# KiCad board rabbit_mask.kicad_pcb (continued)
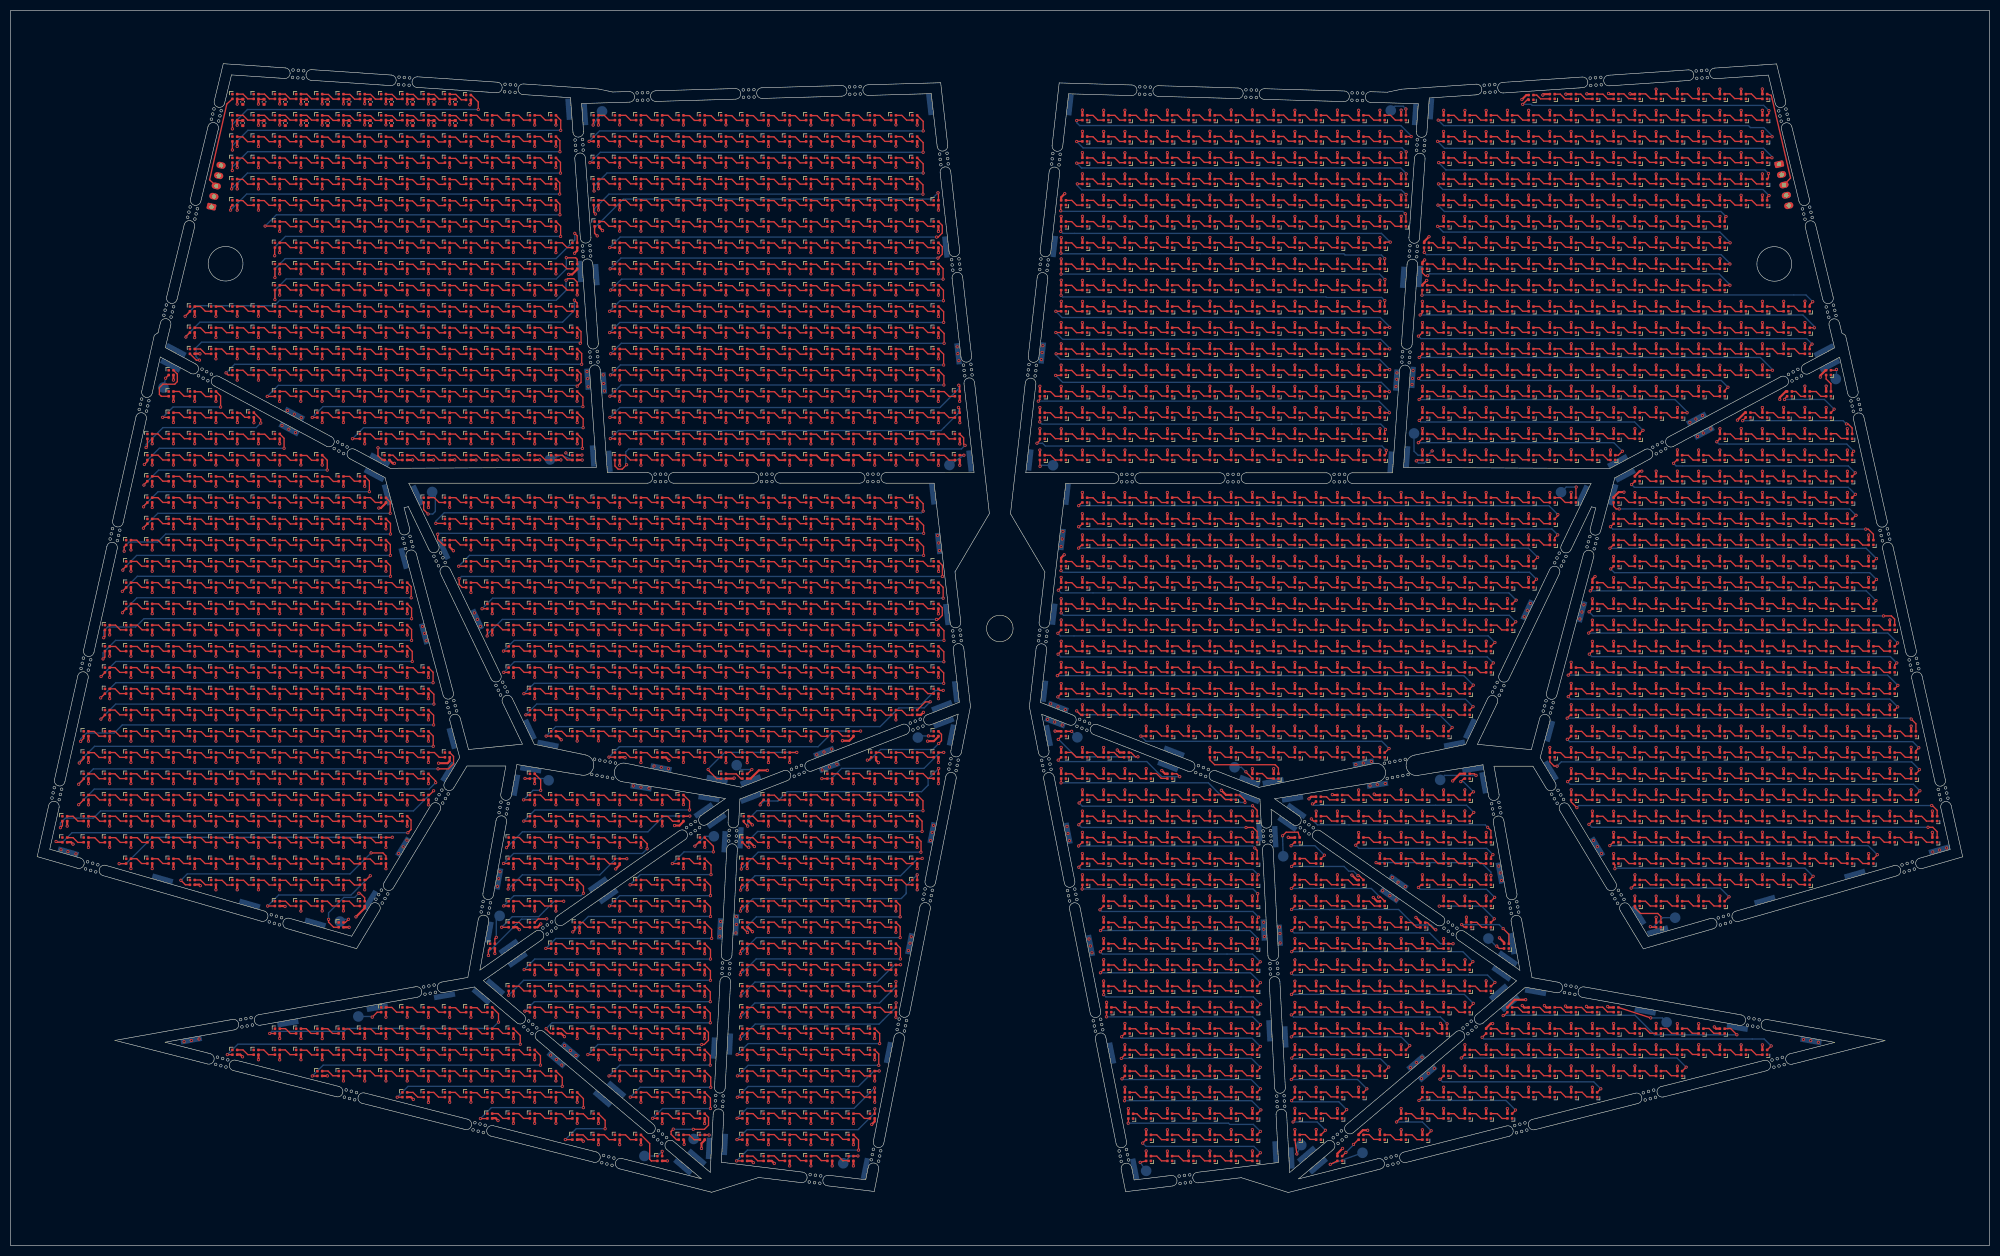
[diagram p0: board, top side]
## Routing (per net, layer and track width the routed paths; a pad name or vN(x,y) marks a point on that pad's centre or on a via; arc(x,y) is an arc through that point) (continued)
Net-(D1001-DOUT): length 3.5
  Top w0.25: 57.75,95.86 56.65,95.86 55.75,96.76 54.65,96.76
Net-(D1002-DOUT): length 3.5
  Top w0.25: 61.85,95.86 60.75,95.86 59.85,96.76 58.75,96.76
Net-(D1003-DOUT): length 3.5
  Top w0.25: 62.7,96.81 63.8,96.81 64.7,95.91 65.8,95.91
Net-(D1004-DOUT): length 3.5
  Top w0.25: D1005.1 68.65,95.91 67.75,96.81 D1004.3
Net-(D1005-DOUT): length 3.5
  Top w0.25: D1006.1 72.65,95.91 71.75,96.81 D1005.3
Net-(D1006-DOUT): length 3.5
  Top w0.25: 74.67,96.79 75.78,96.79 76.67,95.89 77.78,95.89
Net-(D1007-DOUT): length 72.7
  Top w0.25: v1(79.55,93.99) 79.55,95.91 D1007.3 ; v1(12.93,90.84) 13.75,91.66 D1024.1
  Bottom w0.25: v1(12.93,90.84) 12.93,91.11 15.8,93.99 v1(79.55,93.99)
Net-(D1008-DIN): length 79
  Top w0.25: v1(100.8,95.91) D1008.1 ; D990.3 172.2,102.36 v1(173.1,102.36)
  Bottom w0.25: v1(100.8,95.91) 102.59,97.7 163.68,97.7 167.21,101.23 171.97,101.23 v1(173.1,102.36)
Net-(D1008-DOUT): length 3.5
  Top w0.25: D1009.1 104.65,95.91 103.75,96.81 D1008.3
Net-(D1009-DOUT): length 3.5
  Top w0.25: 106.55,96.81 107.65,96.81 108.55,95.91 109.65,95.91
Net-(D1010-DOUT): length 3.5
  Top w0.25: 110.6,96.81 111.7,96.81 112.6,95.91 113.7,95.91
Net-(D1011-DOUT): length 3.5
  Top w0.25: 117.75,95.86 116.65,95.86 115.75,96.76 114.65,96.76
Net-(D1012-DOUT): length 3.5
  Top w0.25: 118.7,96.76 119.8,96.76 120.7,95.86 121.8,95.86
Net-(D1013-DOUT): length 3.5
  Top w0.25: 125.7,95.86 124.6,95.86 123.7,96.76 122.6,96.76
Net-(D1014-DOUT): length 3.5
  Top w0.25: 126.6,96.81 127.7,96.81 128.6,95.91 129.7,95.91
Net-(D1015-DOUT): length 3.5
  Top w0.25: D1016.1 132.65,95.91 131.75,96.81 D1015.3
Net-(D1016-DOUT): length 3.5
  Top w0.25: 137.65,95.91 136.55,95.91 135.65,96.81 134.55,96.81
Net-(D1017-DOUT): length 3.5
  Top w0.25: 141.7,95.91 140.6,95.91 139.7,96.81 138.6,96.81
Net-(D1018-DOUT): length 3.5
  Top w0.25: 142.65,96.76 143.75,96.76 144.65,95.86 145.75,95.86
Net-(D1019-DOUT): length 3.5
  Top w0.25: 146.7,96.76 147.8,96.76 148.7,95.86 149.8,95.86
Net-(D1020-DOUT): length 3.5
  Top w0.25: 153.7,95.86 152.6,95.86 151.7,96.76 150.6,96.76
Net-(D1021-DOUT): length 3.5
  Top w0.25: 157.7,95.91 156.6,95.91 155.7,96.81 154.6,96.81
Net-(D1022-DOUT): length 51.9
  Top w0.25: v1(112.62,91.95) 113.71,91.95 D1042.1 ; v1(160,96.86) 159.95,96.81 D1022.3
  Bottom w0.25: v1(112.62,91.95) 114.58,93.91 152,93.91 154.95,96.86 v1(160,96.86)
Net-(D1023-DOUT): length 18.4
  Top w0.25: v1(174.7,94.51) 175.22,95.04 175.22,96.24 D1023.3 ; D1051.1 161.47,91.39 v1(161.27,91.39)
  Bottom w0.25: v1(174.7,94.51) 173.57,93.39 163.75,93.39 161.75,91.39 v1(161.27,91.39)
Net-(D1024-DOUT): length 3.5
  Top w0.25: 14.65,92.79 15.75,92.79 16.65,91.89 17.75,91.89
Net-(D1025-DOUT): length 3.5
  Top w0.25: 21.65,91.91 20.55,91.91 19.65,92.81 18.55,92.81
Net-(D1026-DOUT): length 3.5
  Top w0.25: D1027.1 24.65,91.91 23.75,92.81 D1026.3
Net-(D1027-DOUT): length 3.5
  Top w0.25: D1028.1 28.65,91.91 27.75,92.81 D1027.3
Net-(D1028-DOUT): length 3.5
  Top w0.25: 33.8,91.91 32.7,91.91 31.8,92.81 30.7,92.81
Net-(D1029-DOUT): length 3.5
  Top w0.25: 37.85,91.86 36.75,91.86 35.85,92.76 34.75,92.76
Net-(D1030-DOUT): length 3.5
  Top w0.25: 41.9,91.86 40.8,91.86 39.9,92.76 38.8,92.76
Net-(D1031-DOUT): length 3.5
  Top w0.25: 42.7,92.76 43.8,92.76 44.7,91.86 45.8,91.86
Net-(D1032-DOUT): length 3.5
  Top w0.25: 49.85,91.86 48.75,91.86 47.85,92.76 46.75,92.76
Net-(D1033-DOUT): length 3.5
  Top w0.25: 50.65,92.76 51.75,92.76 52.65,91.86 53.75,91.86
Net-(D1034-DOUT): length 3.5
  Top w0.25: 57.75,91.86 56.65,91.86 55.75,92.76 54.65,92.76
Net-(D1035-DOUT): length 3.5
  Top w0.25: 61.85,91.86 60.75,91.86 59.85,92.76 58.75,92.76
Net-(D1036-DOUT): length 3.5
  Top w0.25: 65.8,91.91 64.7,91.91 63.8,92.81 62.7,92.81
Net-(D1037-DOUT): length 3.5
  Top w0.25: D1037.3 67.75,92.81 68.65,91.91 D1038.1
Net-(D1038-DOUT): length 3.5
  Top w0.25: D1039.1 72.65,91.91 71.75,92.81 D1038.3
Net-(D1039-DOUT): length 3.5
  Top w0.25: 74.67,92.79 75.78,92.79 76.67,91.89 77.78,91.89
Net-(D1040-DOUT): length 3.5
  Top w0.25: 81.78,91.91 80.67,91.91 79.78,92.81 78.67,92.81
Net-(D1041-DOUT): length 76.1
  Top w0.25: D1055.1 13.75,87.79 v1(12.8,86.84) ; D1041.3 83.38,92.09 83.38,90.69 82.43,89.74 v1(80.45,89.74)
  Bottom w0.25: v1(12.8,86.84) 12.8,86.96 15.57,89.74 v1(80.45,89.74)
Net-(D1042-DOUT): length 3.5
  Top w0.25: 114.65,92.79 115.75,92.79 116.65,91.89 117.75,91.89
Net-(D1043-DOUT): length 3.5
  Top w0.25: 121.8,91.89 120.7,91.89 119.8,92.79 118.7,92.79
Net-(D1044-DOUT): length 3.5
  Top w0.25: 122.6,92.79 123.7,92.79 124.6,91.89 125.7,91.89
Net-(D1045-DOUT): length 3.5
  Top w0.25: 126.6,92.84 127.7,92.84 128.6,91.94 129.7,91.94
Net-(D1046-DOUT): length 3.5
  Top w0.25: 130.65,92.84 131.75,92.84 132.65,91.94 133.75,91.94
Net-(D1047-DOUT): length 3.5
  Top w0.25: 137.65,91.94 136.55,91.94 135.65,92.84 134.55,92.84
Net-(D1048-DOUT): length 3.5
  Top w0.25: 141.7,91.94 140.6,91.94 139.7,92.84 138.6,92.84
Net-(D1049-DOUT): length 3.5
  Top w0.25: 142.65,92.79 143.75,92.79 144.65,91.89 145.75,91.89
Net-(D1050-DOUT): length 22.7
  Top w0.25: D1050.3 147.96,92.81 v1(147.99,92.84) ; D1073.1 132.9,87.91 131.3,89.51 v1(131.3,89.61)
  Bottom w0.25: v1(147.99,92.84) 134.41,92.84 131.3,89.74 v1(131.3,89.61)
Net-(D1051-DOUT): length 3.2
  Top w0.25: D1052.1 164.65,91.91 163.75,92.81 D1051.3
Net-(D1052-DOUT): length 3.5
  Top w0.25: D1053.1 168.65,91.91 167.75,92.81 D1052.3
Net-(D1053-DOUT): length 3.5
  Top w0.25: D1054.1 172.65,91.91 171.75,92.81 D1053.3
Net-(D1054-DOUT): length 27.1
  Top w0.25: D1054.3 175.63,92.81 v1(175.65,92.83) ; D1075.1 153.74,87.9 v1(152.7,87.9)
  Bottom w0.25: v1(175.65,92.83) 174.93,92.83 171.92,89.82 156.41,89.82 154.49,87.9 v1(152.7,87.9)
Net-(D1055-DOUT): length 3.5
  Top w0.25: 17.75,87.89 16.65,87.89 15.75,88.79 14.65,88.79
Net-(D1056-DOUT): length 3.5
  Top w0.25: 21.65,87.91 20.55,87.91 19.65,88.81 18.55,88.81
Net-(D1057-DOUT): length 3.5
  Top w0.25: D1057.3 23.75,88.81 24.65,87.91 D1058.1
Net-(D1058-DOUT): length 3.5
  Top w0.25: D1058.3 27.75,88.81 28.65,87.91 D1059.1
Net-(D1059-DOUT): length 3.5
  Top w0.25: 33.8,87.91 32.7,87.91 31.8,88.81 30.7,88.81
Net-(D1060-DOUT): length 3.5
  Top w0.25: 37.85,87.86 36.75,87.86 35.85,88.76 34.75,88.76
Net-(D1061-DOUT): length 3.5
  Top w0.25: 41.9,87.86 40.8,87.86 39.9,88.76 38.8,88.76
Net-(D1062-DOUT): length 3.5
  Top w0.25: 45.8,87.86 44.7,87.86 43.8,88.76 42.7,88.76
Net-(D1063-DOUT): length 3.5
  Top w0.25: 46.75,88.76 47.85,88.76 48.75,87.86 49.85,87.86
Net-(D1064-DOUT): length 3.5
  Top w0.25: 50.65,88.76 51.75,88.76 52.65,87.86 53.75,87.86
Net-(D1065-DOUT): length 3.5
  Top w0.25: 54.65,88.76 55.75,88.76 56.65,87.86 57.75,87.86
Net-(D1066-DOUT): length 3.5
  Top w0.25: 58.75,88.76 59.85,88.76 60.75,87.86 61.85,87.86
Net-(D1067-DOUT): length 3.5
  Top w0.25: 65.8,87.91 64.7,87.91 63.8,88.81 62.7,88.81
Net-(D1068-DOUT): length 3.5
  Top w0.25: D1069.1 68.65,87.91 67.75,88.81 D1068.3
Net-(D1069-DOUT): length 3.5
  Top w0.25: D1070.1 72.65,87.91 71.75,88.81 D1069.3
Net-(D1070-DOUT): length 3.5
  Top w0.25: 77.78,87.89 76.67,87.89 75.78,88.79 74.67,88.79
Net-(D1071-DOUT): length 72.5
  Top w0.25: D1071.3 80,87.46 v1(80,87.14) ; v1(12.8,82.99) 12.82,82.99 D1081.1
  Bottom w0.25: v1(12.8,82.99) 15.75,85.94 78.8,85.94 v1(80,87.14)
Net-(D1072-DOUT): length 8.7
  Top w0.25: D1098.1 97.74,83.9 v1(96.55,83.9) ; v1(99.78,85.71) 99.78,87.69 D1072.3
  Bottom w0.25: v1(96.55,83.9) 98.36,85.71 v1(99.78,85.71)
Net-(D1073-DOUT): length 3.5
  Top w0.25: 134.65,88.79 136.57,88.79 137.47,87.89 137.75,87.89
Net-(D1075-DOUT): length 3.5
  Top w0.25: D1075.3 155.75,88.81 156.65,87.91 D1076.1
Net-(D1076-DOUT): length 3.5
  Top w0.25: 161.75,87.96 160.65,87.96 159.75,88.86 158.65,88.86
Net-(D1077-DOUT): length 3.5
  Top w0.25: 165.8,87.96 164.7,87.96 163.8,88.86 162.7,88.86
Net-(D1078-DOUT): length 3.5
  Top w0.25: 166.6,88.86 167.7,88.86 168.6,87.96 169.7,87.96
Net-(D1079-DOUT): length 3.5
  Top w0.25: 170.65,88.86 171.75,88.86 172.65,87.96 173.75,87.96
Net-(D1080-DOUT): length 39.4
  Top w0.25: v1(174.7,89.82) 174.65,89.77 D1080.3 ; D1106.1 141.09,83.25 v1(141.09,82.95)
  Bottom w0.25: v1(141.09,82.95) 141.82,83.69 144.42,83.69 146.18,85.44 171.48,85.44 172.71,86.67 172.71,87.83 v1(174.7,89.82)
Net-(D1081-DOUT): length 3.5
  Top w0.25: 14.75,84.79 15.85,84.79 16.75,83.89 17.85,83.89
Net-(D1082-DOUT): length 3.5
  Top w0.25: D1083.1 20.65,83.91 19.75,84.81 D1082.3
Net-(D1083-DOUT): length 3.5
  Top w0.25: 22.75,84.81 23.85,84.81 24.75,83.91 25.85,83.91
Net-(D1084-DOUT): length 3.5
  Top w0.25: 29.85,83.91 28.75,83.91 27.85,84.81 26.75,84.81
Net-(D1085-DOUT): length 3.5
  Top w0.25: D1085.3 31.75,84.81 32.65,83.91 D1086.1
Net-(D1086-DOUT): length 3.5
  Top w0.25: 34.7,84.81 35.8,84.81 36.7,83.91 37.8,83.91
Net-(D1087-DOUT): length 3.5
  Top w0.25: 38.75,84.76 39.85,84.76 40.75,83.86 41.85,83.86
Net-(D1088-DOUT): length 3.5
  Top w0.25: 42.65,84.79 43.75,84.79 44.65,83.89 45.75,83.89
Net-(D1089-DOUT): length 3.5
  Top w0.25: 46.7,84.76 47.8,84.76 48.7,83.86 49.8,83.86
Net-(D1090-DOUT): length 3.5
  Top w0.25: 53.85,83.86 52.75,83.86 51.85,84.76 50.75,84.76
Net-(D1091-DOUT): length 3.5
  Top w0.25: 57.75,83.86 56.65,83.86 55.75,84.76 54.65,84.76
Net-(D1092-DOUT): length 3.5
  Top w0.25: 58.65,84.76 59.75,84.76 60.65,83.86 61.75,83.86
Net-(D1093-DOUT): length 3.5
  Top w0.25: 62.75,84.76 63.85,84.76 64.75,83.86 65.85,83.86
Net-(D1094-DOUT): length 3.5
  Top w0.25: 69.8,83.86 68.7,83.86 67.8,84.76 66.7,84.76
Net-(D1095-DOUT): length 3.5
  Top w0.25: 70.7,84.76 71.8,84.76 72.7,83.86 73.8,83.86
Net-(D1096-DOUT): length 3.5
  Top w0.25: 74.73,84.74 75.83,84.74 76.73,83.84 77.83,83.84
Net-(D1097-DOUT): length 76.4
  Top w0.25: v1(79.62,85.61) 78.83,84.81 D1097.3 ; D1114.1 9.75,79.04 v1(9.37,78.66)
  Bottom w0.25: v1(79.62,85.61) 75.83,81.81 16.93,81.81 15.57,80.46 10.3,80.46 9.37,79.54 v1(9.37,78.66)
Net-(D1098-DOUT): length 3.5
  Top w0.25: D1098.3 99.75,84.81 100.65,83.91 D1099.1
Net-(D1099-DOUT): length 3.5
  Top w0.25: 102.55,84.81 103.65,84.81 104.55,83.91 105.65,83.91
Net-(D1100-DOUT): length 3.5
  Top w0.25: 106.6,84.81 107.7,84.81 108.6,83.91 109.7,83.91
Net-(D1101-DOUT): length 3.5
  Top w0.25: 110.65,84.76 111.75,84.76 112.65,83.86 113.75,83.86
Net-(D1102-DOUT): length 3.5
  Top w0.25: 117.8,83.86 116.7,83.86 115.8,84.76 114.7,84.76
Net-(D1103-DOUT): length 3.5
  Top w0.25: 121.7,83.86 120.6,83.86 119.7,84.76 118.6,84.76
Net-(D1104-DOUT): length 3.5
  Top w0.25: 125.7,83.91 124.6,83.91 123.7,84.81 122.6,84.81
Net-(D1105-DOUT): length 36.5
  Top w0.25: D1105.3 127.8,83.66 v1(127.8,81.99) ; v1(96.59,79.9) 97.74,79.9 D1131.1
  Bottom w0.25: v1(127.8,81.99) 98.68,81.99 v1(96.59,79.9)
Net-(D1106-DOUT): length 3.5
  Top w0.25: 142.67,84.79 143.77,84.79 144.67,83.89 145.77,83.89
Net-(D1107-DOUT): length 3.5
  Top w0.25: 149.77,83.94 148.67,83.94 147.77,84.84 146.67,84.84
Net-(D1108-DOUT): length 3.5
  Top w0.25: 153.82,83.94 152.72,83.94 151.82,84.84 150.72,84.84
Net-(D1109-DOUT): length 3.5
  Top w0.25: 157.72,83.94 156.62,83.94 155.72,84.84 154.62,84.84
Net-(D1110-DOUT): length 3.5
  Top w0.25: 161.77,83.94 160.67,83.94 159.77,84.84 158.67,84.84
Net-(D1111-DOUT): length 3.5
  Top w0.25: 162.72,84.79 163.82,84.79 164.72,83.89 165.82,83.89
Net-(D1112-DOUT): length 3.5
  Top w0.25: 169.75,83.89 168.65,83.89 167.75,84.79 166.65,84.79
Net-(D1113-DOUT): length 39.5
  Top w0.25: D1113.3 171.74,83.72 v1(171.74,81.86) ; v1(138.75,78.96) 138,79.71 D1139.1
  Bottom w0.25: v1(138.75,78.96) 138.75,80.13 140.48,81.86 v1(171.74,81.86)
Net-(D1114-DOUT): length 3.5
  Top w0.25: D1114.3 11.75,80.81 12.65,79.91 D1115.1
Net-(D1115-DOUT): length 3.5
  Top w0.25: 17.85,79.89 16.75,79.89 15.85,80.79 14.75,80.79
Net-(D1116-DOUT): length 3.5
  Top w0.25: D1116.3 19.75,80.81 20.65,79.91 D1117.1
Net-(D1117-DOUT): length 3.5
  Top w0.25: 22.75,80.81 23.85,80.81 24.75,79.91 25.85,79.91
Net-(D1118-DOUT): length 3.5
  Top w0.25: 29.85,79.91 28.75,79.91 27.85,80.81 26.75,80.81
Net-(D1119-DOUT): length 3.5
  Top w0.25: D1120.1 32.65,79.91 31.75,80.81 D1119.3
Net-(D1120-DOUT): length 3.5
  Top w0.25: 34.7,80.81 35.8,80.81 36.7,79.91 37.8,79.91
Net-(D1121-DOUT): length 3.5
  Top w0.25: 41.85,79.86 40.75,79.86 39.85,80.76 38.75,80.76
Net-(D1122-DOUT): length 3.5
  Top w0.25: 45.9,79.86 44.8,79.86 43.9,80.76 42.8,80.76
Net-(D1123-DOUT): length 3.5
  Top w0.25: 46.7,80.76 47.8,80.76 48.7,79.86 49.8,79.86
Net-(D1124-DOUT): length 3.5
  Top w0.25: 53.85,79.86 52.75,79.86 51.85,80.76 50.75,80.76
Net-(D1125-DOUT): length 3.5
  Top w0.25: 54.65,80.76 55.75,80.76 56.65,79.86 57.75,79.86
Net-(D1126-DOUT): length 3.5
  Top w0.25: 58.65,80.76 59.75,80.76 60.65,79.86 61.75,79.86
Net-(D1127-DOUT): length 3.5
  Top w0.25: 65.85,79.86 64.75,79.86 63.85,80.76 62.75,80.76
Net-(D1128-DOUT): length 3.5
  Top w0.25: 66.7,80.76 67.8,80.76 68.7,79.86 69.8,79.86
Net-(D1129-DOUT): length 3.5
  Top w0.25: 70.7,80.76 71.8,80.76 72.7,79.86 73.8,79.86
Net-(D1130-DOUT): length 71.8
  Top w0.25: D1148.1 8.7,75.91 v1(8.55,76.06) ; D1130.3 75.38,80.09 75.38,78.31 v1(74.78,77.71)
  Bottom w0.25: v1(8.55,76.06) 9.9,76.06 11.55,77.71 v1(74.78,77.71)
Net-(D1131-DOUT): length 3.5
  Top w0.25: 101.75,79.89 100.65,79.89 99.75,80.79 98.65,80.79
Net-(D1132-DOUT): length 3.5
  Top w0.25: 105.65,79.89 104.55,79.89 103.65,80.79 102.55,80.79
Net-(D1133-DOUT): length 3.5
  Top w0.25: 109.7,79.89 108.6,79.89 107.7,80.79 106.6,80.79
Net-(D1134-DOUT): length 3.5
  Top w0.25: 113.75,79.84 112.65,79.84 111.75,80.74 110.65,80.74
Net-(D1135-DOUT): length 3.5
  Top w0.25: 117.8,79.84 116.7,79.84 115.8,80.74 114.7,80.74
Net-(D1136-DOUT): length 3.5
  Top w0.25: 118.6,80.74 119.7,80.74 120.6,79.84 121.7,79.84
Net-(D1137-DOUT): length 3.5
  Top w0.25: 122.6,80.79 123.7,80.79 124.6,79.89 125.7,79.89
Net-(D1138-DOUT): length 39.4
  Top w0.25: v1(127.85,80.86) 127.8,80.81 D1138.3 ; D1164.1 93.75,75.34 93.7,75.29 93.7,75.25 v1(93.34,74.89)
  Bottom w0.25: v1(93.34,74.89) 96.34,77.89 119.97,77.89 122.94,80.86 v1(127.85,80.86)
Net-(D1139-DOUT): length 3.2
  Top w0.25: D1140.1 140.65,79.91 139.75,80.81 D1139.3
Net-(D1140-DOUT): length 3.5
  Top w0.25: 142.65,80.86 143.75,80.86 144.65,79.96 145.75,79.96
Net-(D1141-DOUT): length 3.5
  Top w0.25: 149.8,79.96 148.7,79.96 147.8,80.86 146.7,80.86
Net-(D1142-DOUT): length 3.5
  Top w0.25: 153.7,79.96 152.6,79.96 151.7,80.86 150.6,80.86
Net-(D1143-DOUT): length 3.5
  Top w0.25: 157.75,79.96 156.65,79.96 155.75,80.86 154.65,80.86
Net-(D1144-DOUT): length 3.5
  Top w0.25: 161.8,79.91 160.7,79.91 159.8,80.81 158.7,80.81
Net-(D1145-DOUT): length 3.5
  Top w0.25: 162.62,80.81 163.72,80.81 164.62,79.91 165.72,79.91
Net-(D1146-DOUT): length 3.5
  Top w0.25: D1146.3 167.75,80.81 168.65,79.91 D1147.1
Net-(D1147-DOUT): length 39.5
  Top w0.25: D1172.1 138.7,74.96 v1(138.95,74.96) ; v1(171.57,77.95) 171.57,79.89 D1147.3
  Bottom w0.25: v1(138.95,74.96) 138.95,76.29 140.61,77.95 v1(171.57,77.95)
Net-(D1148-DOUT): length 3.5
  Top w0.25: 13.75,75.89 12.65,75.89 11.75,76.79 10.65,76.79
Net-(D1149-DOUT): length 3.5
  Top w0.25: 17.85,75.86 16.75,75.86 15.85,76.76 14.75,76.76
Net-(D1150-DOUT): length 3.5
  Top w0.25: 18.65,76.79 19.75,76.79 20.65,75.89 21.75,75.89
Net-(D1151-DOUT): length 3.5
  Top w0.25: 25.85,75.89 24.75,75.89 23.85,76.79 22.75,76.79
Net-(D1152-DOUT): length 3.5
  Top w0.25: 26.75,76.79 27.85,76.79 28.75,75.89 29.85,75.89
Net-(D1153-DOUT): length 3.5
  Top w0.25: 30.65,76.79 31.75,76.79 32.65,75.89 33.75,75.89
Net-(D1154-DOUT): length 3.5
  Top w0.25: 34.7,76.79 35.8,76.79 36.7,75.89 37.8,75.89
Net-(D1155-DOUT): length 3.5
  Top w0.25: 38.75,76.74 39.85,76.74 40.75,75.84 41.85,75.84
Net-(D1156-DOUT): length 3.5
  Top w0.25: 45.9,75.84 44.8,75.84 43.9,76.74 42.8,76.74
Net-(D1157-DOUT): length 3.5
  Top w0.25: 49.8,75.84 48.7,75.84 47.8,76.74 46.7,76.74
Net-(D1158-DOUT): length 3.5
  Top w0.25: 53.85,75.84 52.75,75.84 51.85,76.74 50.75,76.74
Net-(D1159-DOUT): length 3.5
  Top w0.25: 57.75,75.84 56.65,75.84 55.75,76.74 54.65,76.74
Net-(D1160-DOUT): length 3.5
  Top w0.25: 58.65,76.74 59.75,76.74 60.65,75.84 61.75,75.84
Net-(D1161-DOUT): length 3.5
  Top w0.25: 62.75,76.74 63.85,76.74 64.75,75.84 65.85,75.84
Net-(D1162-DOUT): length 3.5
  Top w0.25: 69.8,75.84 68.7,75.84 67.8,76.74 66.7,76.74
Net-(D1163-DOUT): length 56
  Top w0.25: D1163.3 71.8,76.81 v1(71.85,76.86) ; D1181.1 21.72,71.89 v1(20.43,71.89)
  Bottom w0.25: v1(71.85,76.86) 26.7,76.86 21.72,71.89 v1(20.43,71.89)
Net-(D1164-DOUT): length 3.5
  Top w0.25: D1164.3 95.75,76.81 96.65,75.91 D1165.1
Net-(D1165-DOUT): length 3.5
  Top w0.25: 101.65,75.91 100.55,75.91 99.65,76.81 98.55,76.81
Net-(D1166-DOUT): length 3.5
  Top w0.25: 105.7,75.91 104.6,75.91 103.7,76.81 102.6,76.81
Net-(D1167-DOUT): length 3.5
  Top w0.25: 109.75,75.86 108.65,75.86 107.75,76.76 106.65,76.76
Net-(D1168-DOUT): length 3.5
  Top w0.25: 110.7,76.76 111.8,76.76 112.7,75.86 113.8,75.86
Net-(D1169-DOUT): length 3.5
  Top w0.25: 114.6,76.76 115.7,76.76 116.6,75.86 117.7,75.86
Net-(D1170-DOUT): length 31.7
  Top w0.25: D1170.3 119.82,75.64 v1(119.82,74.69) ; D1194.1 93.74,71.92 v1(92.79,71.92)
  Bottom w0.25: v1(119.82,74.69) 118.93,73.8 94.67,73.8 v1(92.79,71.92)
Net-(D1171-DOUT): length 13.2
  Top w0.25: v1(132.29,74.11) 132.29,75.16 130.65,76.8 D1171.3 ; D1200.1 125.74,71.9 v1(124.56,71.9)
  Bottom w0.25: v1(132.29,74.11) 126.77,74.11 v1(124.56,71.9)
Net-(D1172-DOUT): length 3.5
  Top w0.25: 141.75,75.89 140.65,75.89 139.75,76.79 138.65,76.79
Net-(D1173-DOUT): length 3.5
  Top w0.25: 142.65,76.84 143.75,76.84 144.65,75.94 145.75,75.94
Net-(D1174-DOUT): length 3.5
  Top w0.25: 149.8,75.94 148.7,75.94 147.8,76.84 146.7,76.84
Net-(D1175-DOUT): length 3.5
  Top w0.25: 150.6,76.84 151.7,76.84 152.6,75.94 153.7,75.94
Net-(D1176-DOUT): length 3.5
  Top w0.25: 157.75,75.94 156.65,75.94 155.75,76.84 154.65,76.84
Net-(D1177-DOUT): length 3.5
  Top w0.25: 158.7,76.79 159.8,76.79 160.7,75.89 161.8,75.89
Net-(D1178-DOUT): length 3.5
  Top w0.25: 165.72,75.89 164.62,75.89 163.72,76.79 162.62,76.79
Net-(D1179-DOUT): length 3.5
  Top w0.25: 166.65,76.79 167.75,76.79 168.65,75.89 169.75,75.89
Net-(D1180-DOUT): length 39.3
  Top w0.25: D1202.1 137.55,71.71 v1(137.55,70.88) ; D1180.3 171.38,76.09 171.38,74.07 v1(171.35,74.04)
  Bottom w0.25: v1(171.35,74.04) 140.7,74.04 137.55,70.89 v1(137.55,70.88)
Net-(D1181-DOUT): length 3.5
  Top w0.25: D1182.1 24.65,71.91 23.75,72.81 D1181.3
Net-(D1182-DOUT): length 3.5
  Top w0.25: D1183.1 28.65,71.91 27.75,72.81 D1182.3
Net-(D1183-DOUT): length 3.5
  Top w0.25: 33.65,71.91 32.55,71.91 31.65,72.81 30.55,72.81
Net-(D1184-DOUT): length 3.5
  Top w0.25: 34.6,72.81 35.7,72.81 36.6,71.91 37.7,71.91
Net-(D1185-DOUT): length 3.5
  Top w0.25: 41.75,71.86 40.65,71.86 39.75,72.76 38.65,72.76
Net-(D1186-DOUT): length 3.5
  Top w0.25: 45.8,71.86 44.7,71.86 43.8,72.76 42.7,72.76
Net-(D1187-DOUT): length 3.5
  Top w0.25: 46.6,72.76 47.7,72.76 48.6,71.86 49.7,71.86
Net-(D1188-DOUT): length 3.5
  Top w0.25: 50.65,72.76 51.75,72.76 52.65,71.86 53.75,71.86
Net-(D1189-DOUT): length 3.5
  Top w0.25: 54.55,72.76 55.65,72.76 56.55,71.86 57.65,71.86
Net-(D1190-DOUT): length 3.5
  Top w0.25: 61.65,71.86 60.55,71.86 59.65,72.76 58.55,72.76
Net-(D1191-DOUT): length 3.5
  Top w0.25: 62.65,72.76 63.75,72.76 64.65,71.86 65.75,71.86
Net-(D1192-DOUT): length 3.5
  Top w0.25: 69.7,71.86 68.6,71.86 67.7,72.76 66.6,72.76
Net-(D1193-DOUT): length 43.5
  Top w0.25: D1193.3 70.65,73.34 70.08,73.91 v1(67.85,73.91) ; D1211.1 32.9,67.91 v1(32.05,68.76)
  Bottom w0.25: v1(67.85,73.91) 63.9,69.96 33.25,69.96 v1(32.05,68.76)
Net-(D1194-DOUT): length 3.5
  Top w0.25: D1195.1 96.65,71.91 95.75,72.81 D1194.3
Net-(D1195-DOUT): length 3.5
  Top w0.25: 98.55,72.81 99.65,72.81 100.55,71.91 101.65,71.91
Net-(D1196-DOUT): length 3.5
  Top w0.25: 105.7,71.91 104.6,71.91 103.7,72.81 102.6,72.81
Net-(D1197-DOUT): length 3.5
  Top w0.25: 106.65,72.76 107.75,72.76 108.65,71.86 109.75,71.86
Net-(D1198-DOUT): length 3.5
  Top w0.25: 110.7,72.76 111.8,72.76 112.7,71.86 113.8,71.86
Net-(D1199-DOUT): length 26.9
  Top w0.25: v1(115.99,72.82) 115.98,72.81 D1199.3 ; D1220.1 93.65,67.81 v1(93.65,67.11)
  Bottom w0.25: v1(115.99,72.82) 113.96,72.82 110.92,69.78 96.32,69.78 v1(93.65,67.11)
Net-(D1200-DOUT): length 3.5
  Top w0.25: D1201.1 128.65,71.91 127.75,72.81 D1200.3
Net-(D1201-DOUT): length 20.7
  Top w0.25: v1(131.84,69.82) 131.84,71.62 D1201.3 ; v1(116.6,67.9) 117.74,67.9 D1224.1
  Bottom w0.25: v1(131.84,69.82) 118.52,69.82 v1(116.6,67.9)
Net-(D1202-DOUT): length 3.5
  Top w0.25: D1202.3 139.75,72.81 140.65,71.91 D1203.1
Net-(D1203-DOUT): length 3.5
  Top w0.25: 142.65,72.86 143.75,72.86 144.65,71.96 145.75,71.96
Net-(D1204-DOUT): length 3.5
  Top w0.25: 146.7,72.86 147.8,72.86 148.7,71.96 149.8,71.96
Net-(D1205-DOUT): length 3.5
  Top w0.25: 153.7,71.96 152.6,71.96 151.7,72.86 150.6,72.86
Net-(D1206-DOUT): length 3.5
  Top w0.25: 157.75,71.96 156.65,71.96 155.75,72.86 154.65,72.86
Net-(D1207-DOUT): length 3.5
  Top w0.25: 161.8,71.91 160.7,71.91 159.8,72.81 158.7,72.81
Net-(D1208-DOUT): length 3.5
  Top w0.25: 162.62,72.81 163.72,72.81 164.62,71.91 165.72,71.91
Net-(D1209-DOUT): length 3.5
  Top w0.25: D1209.3 167.75,72.81 168.65,71.91 D1210.1
Net-(D1210-DOUT): length 38.8
  Top w0.25: v1(137.41,66.9) 137.41,67.57 D1228.1 ; D1210.3 171.52,72.81 v1(171.59,72.88)
  Bottom w0.25: v1(137.41,66.9) 140.13,69.62 167.53,69.62 170.79,72.88 v1(171.59,72.88)
Net-(D1211-DOUT): length 3.5
  Top w0.25: D1212.1 36.65,67.91 35.75,68.81 D1211.3
Net-(D1212-DOUT): length 3.5
  Top w0.25: 38.7,68.76 39.8,68.76 40.7,67.86 41.8,67.86
Net-(D1213-DOUT): length 3.5
  Top w0.25: 45.85,67.86 44.75,67.86 43.85,68.76 42.75,68.76
Net-(D1214-DOUT): length 3.5
  Top w0.25: 46.65,68.76 47.75,68.76 48.65,67.86 49.75,67.86
Net-(D1215-DOUT): length 3.5
  Top w0.25: 53.8,67.86 52.7,67.86 51.8,68.76 50.7,68.76
Net-(D1216-DOUT): length 3.5
  Top w0.25: 57.7,67.86 56.6,67.86 55.7,68.76 54.6,68.76
Net-(D1217-DOUT): length 3.5
  Top w0.25: 58.6,68.76 59.7,68.76 60.6,67.86 61.7,67.86
Net-(D1218-DOUT): length 3.5
  Top w0.25: 62.7,68.76 63.8,68.76 64.7,67.86 65.8,67.86
Net-(D1219-DOUT): length 24.4
  Top w0.25: D1219.3 66.9,68.81 v1(67.7,69.61) ; v1(48.38,63.91) D1237.1
  Bottom w0.25: v1(67.7,69.61) 64.08,65.99 50.45,65.99 v1(48.38,63.91)
Net-(D1220-DOUT): length 3.5
  Top w0.25: D1220.3 95.75,68.81 96.65,67.91 D1221.1
Net-(D1221-DOUT): length 3.5
  Top w0.25: 98.55,68.81 99.65,68.81 100.55,67.91 101.65,67.91
Net-(D1222-DOUT): length 3.5
  Top w0.25: 102.6,68.81 103.7,68.81 104.6,67.91 105.7,67.91
Net-(D1223-DOUT): length 19.9
  Top w0.25: D1242.1 93.74,63.92 v1(92.81,63.92) ; v1(107.83,66.32) 107.83,67.63 D1223.3
  Bottom w0.25: v1(92.81,63.92) 94.73,65.84 107.35,65.84 v1(107.83,66.32)
Net-(D1224-DOUT): length 3.5
  Top w0.25: 118.6,68.81 119.7,68.81 120.6,67.91 121.7,67.91
Net-(D1225-DOUT): length 3.5
  Top w0.25: D1226.1 124.65,67.91 123.75,68.81 D1225.3
Net-(D1226-DOUT): length 3.5
  Top w0.25: 129.72,67.91 128.62,67.91 127.73,68.81 126.63,68.81
Net-(D1227-DOUT): length 24.3
  Top w0.25: v1(131.74,65.86) 131.74,67.72 D1227.3 ; v1(112.71,63.93) 113.73,63.93 D1245.1
  Bottom w0.25: v1(131.74,65.86) 114.64,65.86 v1(112.71,63.93)
Net-(D1228-DOUT): length 3.5
  Top w0.25: D1228.3 139.75,68.81 140.65,67.91 D1229.1
Net-(D1229-DOUT): length 3.5
  Top w0.25: 145.75,67.96 144.65,67.96 143.75,68.86 142.65,68.86
Net-(D1230-DOUT): length 3.5
  Top w0.25: 149.8,67.96 148.7,67.96 147.8,68.86 146.7,68.86
Net-(D1231-DOUT): length 3.5
  Top w0.25: 150.6,68.86 151.7,68.86 152.6,67.96 153.7,67.96
Net-(D1232-DOUT): length 3.5
  Top w0.25: 154.65,68.86 155.75,68.86 156.65,67.96 157.75,67.96
Net-(D1233-DOUT): length 3.5
  Top w0.25: 161.8,67.91 160.7,67.91 159.8,68.81 158.7,68.81
Net-(D1234-DOUT): length 3.5
  Top w0.25: 162.62,68.81 163.72,68.81 164.62,67.91 165.72,67.91
Net-(D1235-DOUT): length 3.5
  Top w0.25: D1236.1 168.65,67.91 167.75,68.81 D1235.3
Net-(D1236-DOUT): length 39
  Top w0.25: v1(137.39,62.96) 137.39,63.55 D1250.1 ; D1236.3 v1(170.65,69.79)
  Bottom w0.25: v1(170.65,69.79) 168.58,67.72 168.58,66.25 167.64,65.31 139.74,65.31 v1(137.39,62.96)
Net-(D1237-DOUT): length 3.5
  Top w0.25: D1237.3 51.75,64.81 52.65,63.91 D1238.1
Net-(D1238-DOUT): length 3.5
  Top w0.25: 57.65,63.91 56.55,63.91 55.65,64.81 54.55,64.81
Net-(D1239-DOUT): length 3.5
  Top w0.25: 61.65,63.91 60.55,63.91 59.65,64.81 58.55,64.81
Net-(D1240-DOUT): length 3.5
  Top w0.25: D1241.1 64.65,63.91 63.75,64.81 D1240.3
Net-(D1241-DOUT): length 13.4
  Top w0.25: D1241.3 66.65,65.46 65.8,66.31 v1(65.55,66.31) ; v1(59.85,61.41) 59.85,60.86 60.8,59.91 D1258.1
  Bottom w0.25: v1(59.85,61.41) 59.85,62.64 62.75,65.54 64.78,65.54 v1(65.55,66.31)
Net-(D1242-DOUT): length 3.5
  Top w0.25: D1243.1 96.65,63.91 95.75,64.81 D1242.3
Net-(D1243-DOUT): length 3.5
  Top w0.25: 101.65,63.91 100.55,63.91 99.65,64.81 98.55,64.81